# KiCad board handheld.kicad_pcb (continued)
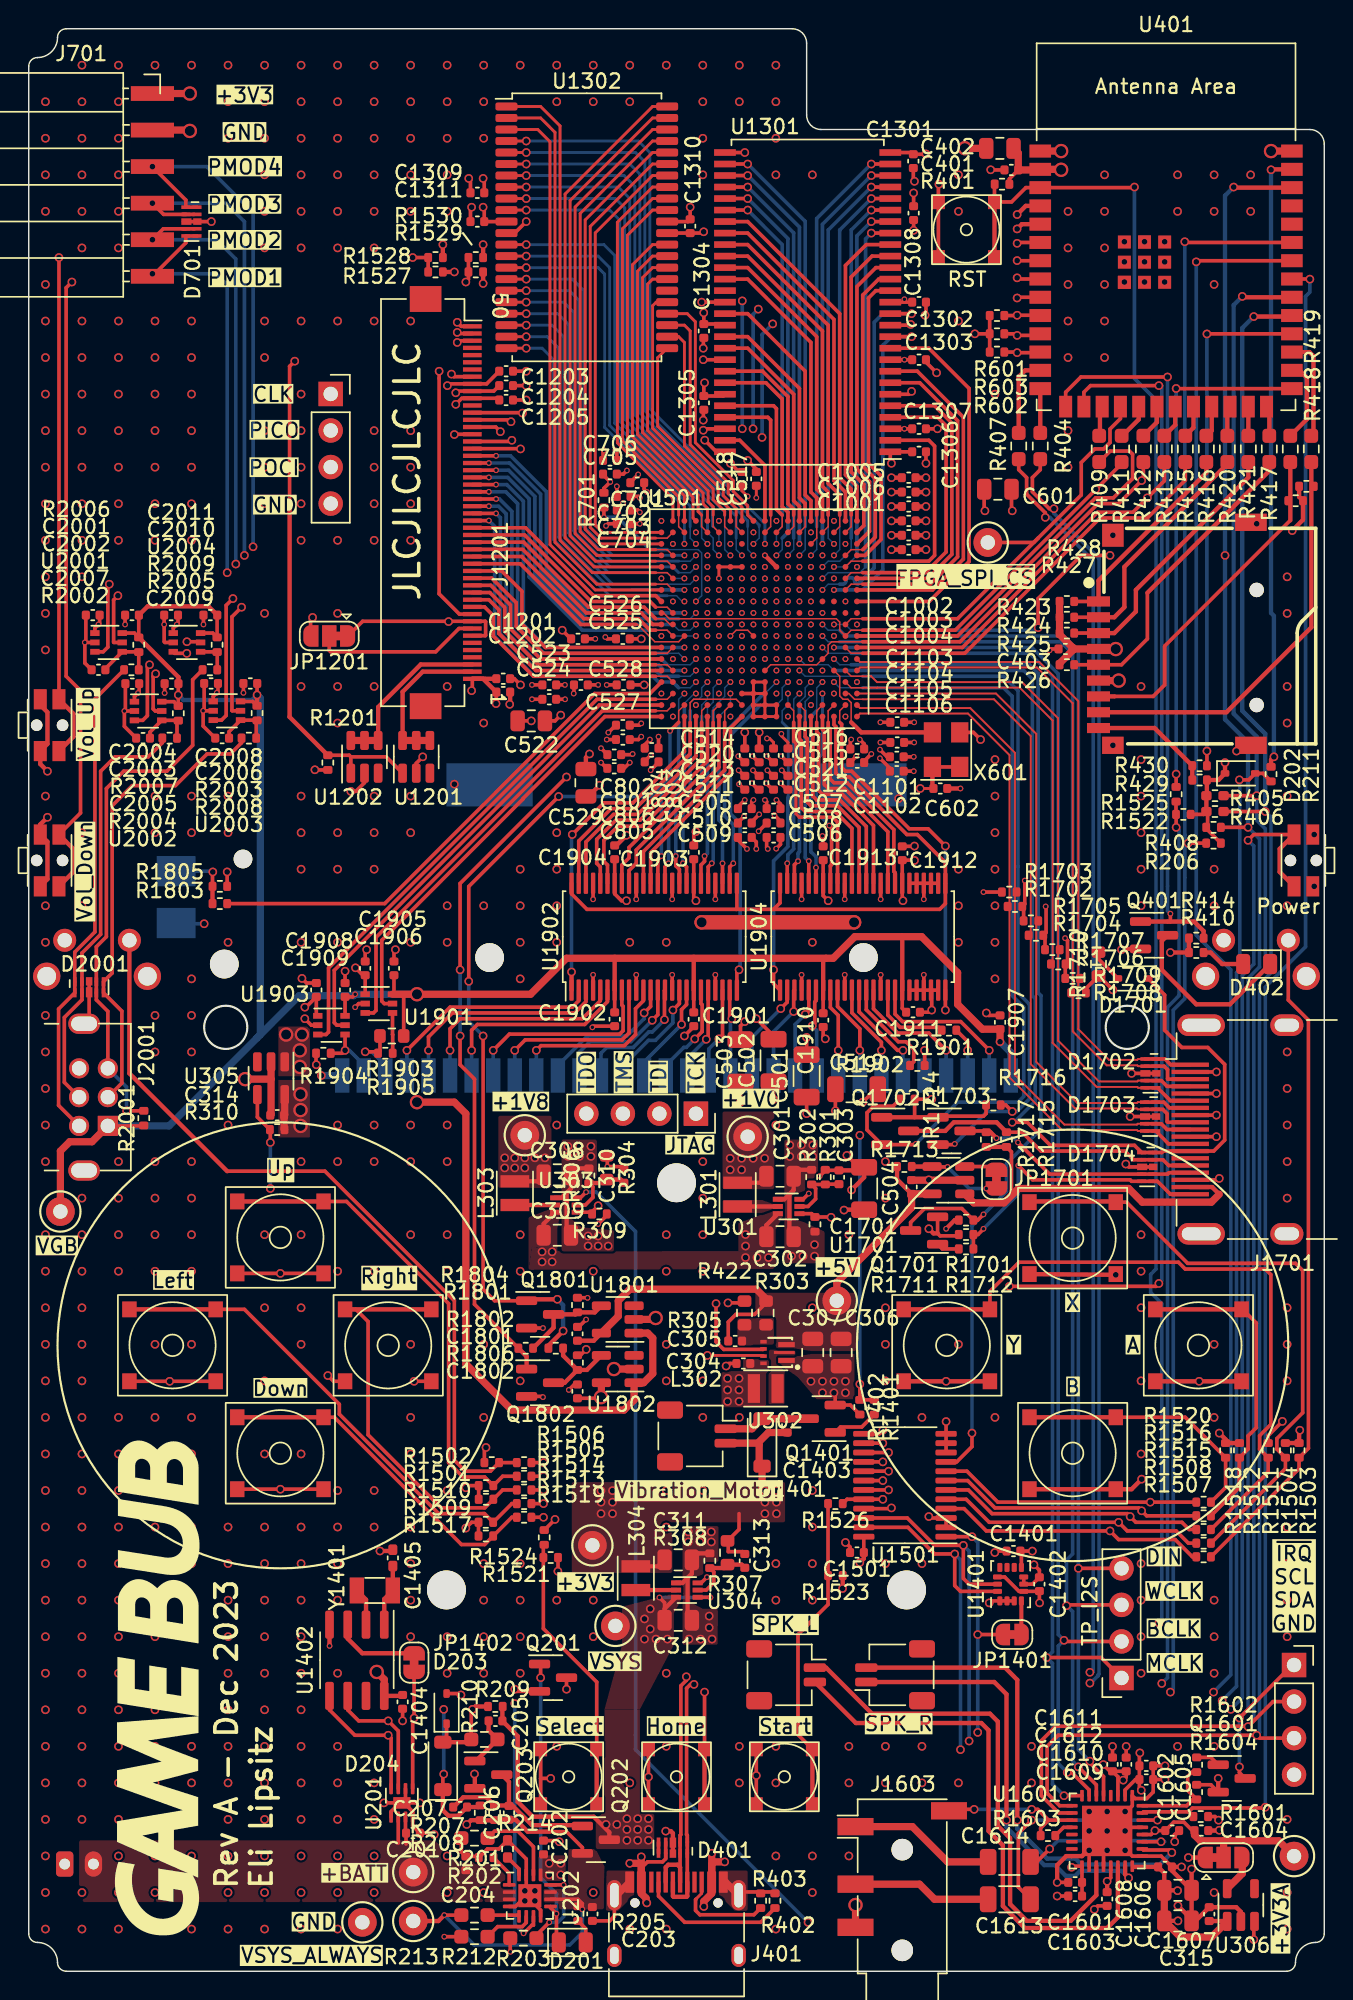
[diagram p0: board, top side]
## Placement (name value [footprint] x y rotation side) (continued)
SW201  Power  [SW_SPST_SKSC]  88.65 77.2 90 top
SW401  RST  [SW_SPST_SKRB]  65.22 121.04 90 top
SW1501  Up  [SW_SPST_SKRR]  17.5 51 0 top
SW1502  L  [SW_Tactile_SPST_Angled_TL1105VFxxxx]  4.75 71.65 180 bottom
SW1503  R  [SW_Tactile_SPST_Angled_TL1105VFxxxx]  85.35 71.65 180 bottom
SW1504  X  [SW_SPST_SKRR]  72.6 50.95 0 top
SW1505  Left  [SW_SPST_SKRR]  10 43.5 0 top
SW1506  Right  [SW_SPST_SKRR]  25 43.5 0 top
SW1507  Y  [SW_SPST_SKRR]  63.85 43.5 0 top
SW1508  A  [SW_SPST_SKRR]  81.35 43.5 0 top
SW1509  Down  [SW_SPST_SKRR]  17.5 36 0 top
SW1510  B  [SW_SPST_SKRR]  72.6 36 0 top
SW1511  Select  [SW_SPST_SKRB]  37.55 13.51 270 top
SW1512  Home  [SW_SPST_SKRB]  45.05 13.51 270 top
SW1513  Start  [SW_SPST_SKRB]  52.55 13.51 270 top
SW1514  Vol_Up  [SW_SPST_SKSC]  1.45 86.6 270 top
SW1515  Vol_Down  [SW_SPST_SKSC]  1.45 77.2 270 top
SW1801  SW_Cartridge  [JJOV0UL650NONPRBK_SIDE]  13.6 70 90 bottom
TP201  +BATT  [TestPoint_Keystone_5000-5004_Miniature]  26.74 6.89 0 top
TP202  VSYS_ALWAYS  [TestPoint_Keystone_5000-5004_Miniature]  26.74 3.49 0 top
TP203  VSYS  [TestPoint_Keystone_5000-5004_Miniature]  40.8 24 0 top
TP301  +1V0  [TestPoint_Keystone_5000-5004_Miniature]  50 58 0 top
TP302  +1V8  [TestPoint_Keystone_5000-5004_Miniature]  34.5 58.1 0 top
TP303  +3V3  [TestPoint_Keystone_5000-5004_Miniature]  39.2 29.6 0 top
TP304  +3V3A  [TestPoint_Keystone_5000-5004_Miniature]  88 8 0 top
TP305  +5V  [TestPoint_Keystone_5000-5004_Miniature]  56.2 46.6 0 top
TP306  GND  [TestPoint_Keystone_5000-5004_Miniature]  23.2 3.4 0 top
TP401  FPGA_SPI_~{CS}  [TestPoint_Keystone_5000-5004_Miniature]  66.7 99.3 0 top
TP1801  VGB  [TestPoint_Keystone_5000-5004_Miniature]  2.2 52.8 0 top
U201  MAX17048  [TDFN-8-1EP_2x2mm_P0.5mm_EP0.8x1.2mm]  25.95 11.7 90 top
U202  BQ24073RGT  [VQFN-16-1EP_3x3mm_P0.5mm_EP1.6x1.6mm]  34.85 5.25 0 top
U301  TLV62585PDRL  [SOT-563]  52.85 53.15 0 top
U302  TPS61022RWUR  [VQFN-7_L2.0-W2.0-P0.55-TL_RWU]  52.07 43 180 top
U303  TLV62585PDRL  [SOT-563]  37.36 53.25 0 top
U304  TLV62585PDRL  [SOT-563]  45.77 26.49 0 top
U305  AP2191W  [SOT-23-5]  16.85 62.06 270 top
U306  LP5907MFX-3.3  [SOT-23-5]  84.3 4.6 90 top
U401  -  [ESP32-S3-WROOM-1]  79.1 118.24 0 top
U501  XC7A100T-CSG324  [Xilinx_CSG324]  50.8 94 180 top
U1201  AP2502  [SOT-23-6]  26.95 84.4 90 top
U1202  AP2502  [SOT-23-6]  23.35 84.4 90 top
U1301  W9825G6KH-6  [TSOP-II-54_22.2x10.16mm_P0.8mm]  54.17 116 180 top
U1302  IS61WV25616EDBLL-10TLI  [TSOP-II-44_10.16x18.41mm_P0.8mm]  38.81 121.2 0 top
U1401  LSM6DS3TR-C  [LGA-14_3x2.5mm_P0.5mm_LayoutBorder3x4y]  68.29 26.9 90 top
U1402  PCF8563T  [SOIC-8_3.9x4.9mm_P1.27mm]  22.82 21.61 270 top
U1501  TCA9535PWR  [TSSOP-24_4.4x7.8mm_P0.65mm]  60.94 33.78 180 top
U1601  TLV320DAC3101  [VQFN-32-1EP_5x5mm_P0.5mm_EP3.5x3.5mm]  75 9.75 270 top
U1701  AP2191W  [SOT-23-5]  63.96 54.97 180 top
U1801  AP2191W  [SOT-23-5]  40.96 45.3 180 top
U1802  AP2191W  [SOT-23-5]  40.96 41.85 180 top
U1901  74LVC1T45  [SOT-363_SC-70-6]  24.35 67.25 0 top
U1902  74LVCH16T245  [TSSOP-48_6.1x12.5mm_P0.5mm]  43.5 71.9 90 top
U1903  74LVC1T45  [SOT-363_SC-70-6]  21.05 65.75 0 top
U1904  74LVCH16T245  [TSSOP-48_6.1x12.5mm_P0.5mm]  58 71.9 90 top
U2001  74LVC1T45  [SOT-363_SC-70-6]  5.55 92.35 0 top
U2002  74LVC1T45  [SOT-363_SC-70-6]  8.3 87.58 0 top
U2003  74LVC1T45  [SOT-363_SC-70-6]  13.78 87.6 0 top
U2004  74LVC1T45  [SOT-363_SC-70-6]  11 92.35 0 top
X601  YSO110TR 50MHz  [Oscillator_SMD_SeikoEpson_SG8002CE-4Pin_3.2x2.5mm]  63.8 84.9 90 top
Y1401  32.768kHz  [Crystal_SMD_3215-2Pin_3.2x1.5mm]  24.07 26.46 0 top

## Library data of the parts
C201 C206 C314 C401 C403 C602 C1201-C1205 C1301-C1307 C1310 C1311 C1401-C1404 C1501 C1602 C1604 C1606 C1608 C1610 C1612 C1701 C1801 C1802 C1901-C1913 C2001-C2004 C2008-C2011 = -: Description: Unpolarized capacitor, small symbol; LCSC: C1525
C202-C204 C505-C510 C523 C524 C705 C706 C805 C806 C1005 C1006 C1105 C1106 = -: Description: Unpolarized capacitor, small symbol; LCSC: C23733
C205 C304 C315 C1308 C1309 C1601 C1603 C1609 C1611 = -: Description: Unpolarized capacitor, small symbol; LCSC: C15525
C207 = -: Description: Unpolarized capacitor, small symbol; LCSC: C52923
C301 C302 C308 C309 C311 C312 C522 C529 C601 = -: Description: Unpolarized capacitor, small symbol; LCSC: C16780
C303 C310 C313 C1405 = -: Description: Unpolarized capacitor, small symbol; LCSC: C1555
C305 = -: Description: Unpolarized capacitor, small symbol; LCSC: C1537
C306 C307 C402 C1605 C1607 = -: Description: Unpolarized capacitor, small symbol; LCSC: C45783
C501-C504 C519 C1613 C1614 = -: Description: Unpolarized capacitor, small symbol; LCSC: C15008
C511-C518 C520 C521 C525-C528 C701-C704 C801-C804 C1001-C1004 C1101-C1104 = -: Description: Unpolarized capacitor, small symbol; LCSC: C47339
C2005-C2007 = -: Description: Unpolarized capacitor, small symbol; LCSC: C1546
D201 = -: Description: Light emitting diode; Color: Yellow; LCSC: C2296
D202 D203 D1701 = -: Description: Schottky diode; LCSC: C191023; V_forward: 0.60V
D204 D1401 = -: Description: 75V 0.15A Fast Switching Diode, SOD-123; LCSC: C81598; Sim.Device: D; Sim.Pins: 1=K 2=A
D401 D701 D1702-D1704 D2001 = -: Description: Uni-directional 5V Ultra Small Capacitance ESD Array; LCSC: C7420374
D402 = -: Description: Light emitting diode; Color: Green; LCSC: C2297
H101-H103 = -: Description: Mounting Hole without connection
J201 = -: Description: Generic connector, single row, 01x02, script generated (kicad-library-utils/schlib/autogen/connector/)
J401 = -: Description: USB 2.0-only Type-C Receptacle connector; LCSC: C165948
J402 = -: Description: Micro SD Card Socket with one card detection pin; LCSC: C5155564
J403 J404 J601 J1604 = -: Description: Generic connector, single row, 01x04, script generated (kicad-library-utils/schlib/autogen/connector/)
J701 = -: Description: Generic connector, single row, 01x06, script generated (kicad-library-utils/schlib/autogen/connector/)
J1201 = -: LCSC: C598003; Field5: Pin numbers are reversed from Hirose datasheet.
J1401 J1601 J1602 = -: Description: Generic connector, single row, 01x02, script generated (kicad-library-utils/schlib/autogen/connector/); LCSC: C160402
J1603 = -: Description: Audio Jack, 4 Poles (TRRS); LCSC: C431535
J1701 = -: Description: HDMI type A connector; LCSC: C2858275
J1901 = -: Description: Game Boy cartridge edge connector with mounting pin; Author: gekkio
J2001 = -: Description: Game Boy link port; Author: gekkio
JP301 JP1201 = -: Description: 3-pole Solder Jumper, pins 1+2 closed/bridged
JP1401 JP1402 JP1701 = -: Description: Solder Jumper, 2-pole, closed/bridged
L301-L304 = -: Description: Inductor, small symbol; LCSC: C98348
Q201 Q203 Q401 Q1401 Q1601 Q1701-Q1703 Q1801 Q1802 = -: Description: 30V Vds, 5.7A Id, N-Channel MOSFET, SOT-23; LCSC: C20917
Q202 = -: Description: -4.0A Id, -30V Vds, P-Channel MOSFET, SOT-23; LCSC: C15127
R201 = -: Description: Resistor, small symbol; LCSC: C25819
R202 R207 R301 R401 R408 R422-R430 R1201 R1402 R1501-R1530 R1604 R1711 R1712 R1801 R1803-R1805 R2006-R2009 = -: Description: Resistor, small symbol; LCSC: C25744
R203 = -: Description: Resistor, small symbol; LCSC: C22764
R205 R410 R1603 = -: Description: Resistor, small symbol; LCSC: C25879
R206 R208 R209 R309 R310 R414 R1601 R1713 R1802 R1806 R1904 R2001 = -: Description: Resistor, small symbol; LCSC: C25741
R210 = -: Description: Resistor, small symbol; LCSC: C23178
R211 R214 R701 R1401 R1602 R1714 R1716 = -: Description: Resistor, small symbol; LCSC: C11702
R212 R213 R404 R407 R409 R411-R413 R415-R421 = -: Description: Resistor, small symbol; LCSC: C21189
R302 R306 R308 = -: Description: Resistor, small symbol; LCSC: C25756
R303 = -: Description: Resistor, small symbol; LCSC: C22961
R304 R305 = -: Description: Resistor, small symbol; LCSC: C22984
R307 = -: Description: Resistor, small symbol; LCSC: C23231
R402 R403 = -: Description: Resistor, small symbol; LCSC: C25905
R405 R406 = -: Description: Resistor, small symbol; LCSC: C25890
R601-R603 R1701 = -: Description: Resistor, small symbol; LCSC: C25900
R1702-R1709 R1901 R1902 R1905 = -: Description: Resistor, small symbol; LCSC: C25120
R1710 R1903 = -: Description: Resistor, small symbol; LCSC: C22967
R1715 R1717 = -: Description: Resistor, small symbol; LCSC: C25867
R2002-R2005 = -: Description: Resistor, small symbol; LCSC: C25104
SW201 SW1514 SW1515 = -: Description: Push button switch, generic, two pins; LCSC: C115361
SW401 SW1511-SW1513 = -: Description: Push button switch, generic, two pins; LCSC: C115356
SW1501 SW1504-SW1510 = -: Description: Push button switch, generic, two pins; LCSC: C97437
SW1502 SW1503 = -: Description: Push button switch, generic, two pins
SW1801 = -: Description: Single Pole Single Throw (SPST) switch
TP201-TP203 TP301-TP306 TP401 TP1801 = -: Description: test point
U201 = -: Description: 3µA 1-Cell Fuel Gauge with ModelGauge; LCSC: C2682616
U202 = -: Description: USB-Friendly Li-Ion Battery Charger and Power-Path Management, VQFN-16; LCSC: C15220
U301 U303 U304 = -: Description: TLV62585 3-A High Efficiency Synchronous Buck Converter; LCSC: C485118
U302 = -: Description: TPS61022 8-A Boost Converter with 0.5-V Ultra-low Input Voltage; LCSC: C915088
U305 U1701 U1801 U1802 = -: Description: Current limited power switch, single channel, SOT-23-5; LCSC: C141321
U306 = -: Description: 250-mA Ultra-Low-Noise Low-IQ LDO, 3.3V, SOT-23
U401 = -: Description: 2.4 GHz WiFi (802.11 b/g/n) and Bluetooth ® 5 (LE) module Built around ESP32S3 series of SoCs, Xtensa ® dualcore 32bit LX7 microprocessor Flash up to 16 MB, PSRAM up to 8 MB 36 GPIOs, rich set of peripherals Onboard PCB antenna; LCSC: C2913205
U501 = -: Description: Xilinx Artix-7 FPGA, XC7A100T, CSG324; LCSC: C1521791
U1201 U1202 = -: Description: 4-CH Linear Constant Current Sink With Matching; LCSC: C460349
U1301 = -: Description: 128Mb Synchronous DRAM, 4 Mb x 16 b x 4 Banks, 200 MHz, TSOP-II-54; LCSC: C62246
U1302 = -: Description: 256K x 16 HIGH SPEED ASYNCHRONOUS CMOS STATIC RAM WITH ECC, 10ns, TSOP II-44; LCSC: C883296
U1401 = -: Description: I2C/SPI, iNEMO inertial module: always-on 3D accelerometer and 3D gyroscope; LCSC: C967633
U1402 = -: Description: Realtime Clock/Calendar I2C Interface, SOIC-8; LCSC: C7440
U1501 = -: Description: 16-bit I/O expander, I2C and SMBus interface, interrupts, w/o pull-ups, TSSOP-24 package; LCSC: C130204
U1601 = -: LCSC: C2651664
U1901 U1903 U2001-U2004 = -: Description: Single-Bit Dual-Supply Bus Transceiver With Configurable Voltage Translation and 3-State Outputs, SOT-363; LCSC: C5162250
U1902 U1904 = -: LCSC: C352975
X601 = -: Description: Crystal Oscillator, SHENZHEN YANGXING TECHNOLOGY CO., LTD.; LCSC: C5203552
Y1401 = -: Description: Two pin crystal, small symbol; LCSC: C32346; Load capacitance: 12.5 pF

## Footprints (pads in the part's own frame, mm; a bottom-side part is the same pattern mirrored in y, then rotated)
C_0402_1005Metric
  rrect 0.56x0.62 smd: 1(-0.48,0) 2(0.48,0)
C_0402_1005Metric_Pad0.74x0.62mm_HandSolder
  rrect 0.735x0.62 smd: 1(-0.568,0) 2(0.568,0)
C_0805_2012Metric
  rrect 1x1.45 smd: 1(-0.95,0) 2(0.95,0)
C_1206_3216Metric
  rrect 1.15x1.8 smd: 1(-1.475,0) 2(1.475,0)
Crystal_SMD_3215-2Pin_3.2x1.5mm
  rect 1x1.8 smd: 1(1.25,0) 2(-1.25,0)
D_SOD-123
  rrect 0.9x1.2 smd: 1(-1.65,0) 2(1.65,0)
D_SOD-323
  rrect 0.6x0.45 smd: 1(-1.05,0) 2(1.05,0)
Diodes_UDFN-10_1.0x2.5mm_P0.5mm
  rect 0.625x0.25 smd: 1(-0.388,1) 2(-0.388,0.5) 4(-0.388,-0.5) 5(-0.388,-1) 6(0.388,-1) 7(0.388,-0.5) 9(0.388,0.5) 10(0.388,1)
  rect 0.7x0.45 smd: 3(-0.35,0)
  rect 0.575x0.45 smd: 8(0.412,0)
ESP32-S3-WROOM-1
  rect 1.5x0.9 smd: 1(-8.75,8.26) 2(-8.75,6.99) 3(-8.75,5.72) 4(-8.75,4.45) 5(-8.75,3.18) 6(-8.75,1.91) 7(-8.75,0.64) 8(-8.75,-0.63) 9(-8.75,-1.9) 10(-8.75,-3.17) 11(-8.75,-4.44) 12(-8.75,-5.71) 13(-8.75,-6.98) 14(-8.75,-8.25) 27(8.75,-8.25) 28(8.75,-6.98) 29(8.75,-5.71) 30(8.75,-4.44) 31(8.75,-3.17) 32(8.75,-1.9) 33(8.75,-0.63) 34(8.75,0.64) 35(8.75,1.91) 36(8.75,3.18) 37(8.75,4.45) 38(8.75,5.72) 39(8.75,6.99) 40(8.75,8.26)
  rect 0.9x1.5 smd: 15(-6.985,-9.5) 16(-5.715,-9.5) 17(-4.445,-9.5) 18(-3.175,-9.5) 19(-1.905,-9.5) 20(-0.635,-9.5) 21(0.635,-9.5) 22(1.905,-9.5) 23(3.175,-9.5) 24(4.445,-9.5) 25(5.715,-9.5) 26(6.985,-9.5)
  rect 0.9x0.9 smd: 41(-2.9,1.94) 41(-2.9,0.54) 41(-2.9,-0.86) 41(-2.9,-0.86) 41(-1.5,1.94) 41(-1.5,1.94) 41(-1.5,0.54) 41(-1.5,-0.86) 41(-0.1,1.94) 41(-0.1,0.54) 41(-0.1,-0.86)
GameBoy_Cartridge_AGS_1x32-1MP_P1.50mm_Socket_Horizontal
  round 2 hole 2 unplated: (-13,-2.05) (13,-2.05)
  rect 1x2.4 smd: 1(-23.25,-10.25) 2(-21.75,-10.25) 3(-20.25,-10.25) 4(-18.75,-10.25) 5(-17.25,-10.25) 6(-15.75,-10.25) 7(-14.25,-10.25) 8(-12.75,-10.25) 9(-11.25,-10.25) 10(-9.75,-10.25) 11(-8.25,-10.25) 12(-6.75,-10.25) 13(-5.25,-10.25) 14(-3.75,-10.25) 15(-2.25,-10.25) 16(-0.75,-10.25) 17(0.75,-10.25) 18(2.25,-10.25) 19(3.75,-10.25) 20(5.25,-10.25) 21(6.75,-10.25) 22(8.25,-10.25) 23(9.75,-10.25) 24(11.25,-10.25) 25(12.75,-10.25) 26(14.25,-10.25) 27(15.75,-10.25) 28(17.25,-10.25) 29(18.75,-10.25) 30(20.25,-10.25) 31(21.75,-10.25) 32(23.25,-10.25)
  rect 6x3 smd: MP(-13,9.95) MP(13,9.95)
GameBoy_LinkPort_AGB_Horizontal
  rect 1.4x1.4 hole 1: 1(0,0)
  round 1.4 hole 1: 2(2,0) 3(0,-2) 4(2,-2) 5(0,-4) 6(2,-4)
  oval 2.2x1.4 hole 1.8x1: SH(1.651,3.1) SH(1.651,-7.1)
HDMI_A_Molex_208658-1001_Horizontal
  rect 2.6x0.3 smd: 1(-3.285,4.5) 2(-3.285,4) 3(-3.285,3.5) 4(-3.285,3) 5(-3.285,2.5) 6(-3.285,2) 7(-3.285,1.5) 8(-3.285,1) 9(-3.285,0.5) 10(-3.285,0) 11(-3.285,-0.5) 12(-3.285,-1) 13(-3.285,-1.5) 14(-3.285,-2) 15(-3.285,-2.5) 16(-3.285,-3) 17(-3.285,-3.5) 18(-3.285,-4) 19(-3.285,-4.5)
  oval 3.3x1.5 hole 2.7x0.9: SH(-2.525,7.25) SH(-2.525,-7.25)
  oval 2.3x1.5 hole 1.7x0.9: SH(3.435,7.25) SH(3.435,-7.25)
Hirose_FH12S-50S-0.5SH_1x50-1MP_P0.50mm_Horizontal_FLIPPED
  rect 0.3x1.3 smd: 1(12.25,1.85) 2(11.75,1.85) 3(11.25,1.85) 4(10.75,1.85) 5(10.25,1.85) 6(9.75,1.85) 7(9.25,1.85) 8(8.75,1.85) 9(8.25,1.85) 10(7.75,1.85) 11(7.25,1.85) 12(6.75,1.85) 13(6.25,1.85) 14(5.75,1.85) 15(5.25,1.85) 16(4.75,1.85) 17(4.25,1.85) 18(3.75,1.85) 19(3.25,1.85) 20(2.75,1.85) 21(2.25,1.85) 22(1.75,1.85) 23(1.25,1.85) 24(0.75,1.85) 25(0.25,1.85) 26(-0.25,1.85) 27(-0.75,1.85) 28(-1.25,1.85) 29(-1.75,1.85) 30(-2.25,1.85) 31(-2.75,1.85) 32(-3.25,1.85) 33(-3.75,1.85) 34(-4.25,1.85) 35(-4.75,1.85) 36(-5.25,1.85) 37(-5.75,1.85) 38(-6.25,1.85) 39(-6.75,1.85) 40(-7.25,1.85) 41(-7.75,1.85) 42(-8.25,1.85) 43(-8.75,1.85) 44(-9.25,1.85) 45(-9.75,1.85) 46(-10.25,1.85) 47(-10.75,1.85) 48(-11.25,1.85) 49(-11.75,1.85) 50(-12.25,1.85)
  rect 1.8x2.2 smd: MP(-14.15,-1.4) MP(14.15,-1.4)
Jack_3.5mm_PJ320D_Horizontal
  round 1.5 hole 1.5 unplated: (-4.775,0) (2.225,0)
  rect 1.2x2.5 smd: R1(-0.175,3.25) R2(-3.175,3.25) S(4.925,-3.25) T(3.825,3.25)
JJOV0UL650NONPRBK_SIDE
  round 2 hole 2 unplated: (0,0)
  round 1.3 hole 1.3 unplated: (7.3,1.3)
  rect 2.1x2.7 smd: 1(6.45,-3.35) 2(2.85,-3.35)
JST_PH_S2B-PH-K_1x02_P2.00mm_Horizontal
  rrect 1.2x1.75 hole 0.75: 1(0,0)
  oval 1.2x1.75 hole 0.75: 2(2,0)
JST_SH_SM02B-SRSS-TB_1x02-1MP_P1.00mm_Horizontal
  rrect 0.6x1.55 smd: 1(-0.5,2) 2(0.5,2)
  rrect 1.2x1.8 smd: MP(-1.8,-1.875) MP(1.8,-1.875)
L_Sunlord_SWPA252012S
  rect 0.85x2 smd: 1(-0.825,0) 2(0.825,0)
LED_0805_2012Metric
  rrect 0.975x1.4 smd: 1(-0.938,0) 2(0.938,0)
LGA-14_3x2.5mm_P0.5mm_LayoutBorder3x4y
  rrect 0.625x0.35 smd: 1(-1.163,0.75) 2(-1.163,0.25) 3(-1.163,-0.25) 4(-1.163,-0.75) 8(1.163,-0.75) 9(1.163,-0.25) 10(1.163,0.25) 11(1.163,0.75)
  rrect 0.35x0.625 smd: 5(-0.5,-0.912) 6(0,-0.912) 7(0.5,-0.912) 12(0.5,0.912) 13(0,0.912) 14(-0.5,0.912)
microSD_G-Switch_GT-TF003-H0185-02
  round 1 hole 1 unplated: (-4.95,-5.7) (3.05,-5.7)
  rect 0.7x1.6 smd: 1(2.25,5.3) 2(1.15,5.3) 3(0.05,5.3) 4(-1.05,5.3) 5(-2.15,5.3) 6(-3.25,5.3) 7(-4.35,5.3) 8(-5.45,5.3) 9(-6.55,5.3)
  rect 1.2x1.5 smd: 10(-7.75,4.3)
  rect 1.2x2.2 smd: 10(-7.75,-5.3) 10(7.75,-5.3)
  rect 1.6x1.5 smd: 10(6.85,4.3)
MountingHole_2.7mm_M2.5
  round 2.7 hole 2.7 unplated: (0,0)
Oscillator_SMD_SeikoEpson_SG8002CE-4Pin_3.2x2.5mm
  rect 1.4x1.2 smd: 1(-1.2,-0.95) 2(1.2,-0.95) 3(1.2,0.95) 4(-1.2,0.95)
PinSocket_1x04_P2.54mm_Vertical
  rect 1.7x1.7 hole 1: 1(0,0)
  oval 1.7x1.7 hole 1: 2(0,-2.54) 3(0,-5.08) 4(0,-7.62)
PinSocket_1x06_P2.54mm_Horizontal_SMD
  rect 3x1.02 smd: 1(0.57,0) 2(0.57,-2.54) 3(0.57,-5.08) 4(0.57,-7.62) 5(0.57,-10.16) 6(0.57,-12.7)
R_0402_1005Metric
  rrect 0.54x0.64 smd: 1(-0.51,0) 2(0.51,0)
R_0402_1005Metric_Pad0.72x0.64mm_HandSolder
  rrect 0.715x0.64 smd: 1(-0.598,0) 2(0.598,0)
R_0603_1608Metric
  rrect 0.8x0.95 smd: 1(-0.825,0) 2(0.825,0)
R_0603_1608Metric_Pad0.98x0.95mm_HandSolder
  rrect 0.975x0.95 smd: 1(-0.912,0) 2(0.912,0)
SOIC-8_3.9x4.9mm_P1.27mm
  rrect 1.95x0.6 smd: 1(-2.475,1.905) 2(-2.475,0.635) 3(-2.475,-0.635) 4(-2.475,-1.905) 5(2.475,-1.905) 6(2.475,-0.635) 7(2.475,0.635) 8(2.475,1.905)
SolderJumper-2_P1.3mm_Bridged_RoundedPad1.0x1.5mm
  custom 1x1.5 smd: 1(-0.65,0) 2(0.65,0)
SolderJumper-3_P1.3mm_Bridged12_RoundedPad1.0x1.5mm
  custom 1.05x1.5 smd: 1(-1.3,0) 3(1.3,0)
  rect 1x1.5 smd: 2(0,0)
SOT-23
  rrect 1.475x0.6 smd: 1(-0.938,0.95) 2(-0.938,-0.95) 3(0.938,0)
SOT-23-5
  rrect 1.325x0.6 smd: 1(-1.137,0.95) 2(-1.137,0) 3(-1.137,-0.95) 4(1.137,-0.95) 5(1.137,0.95)
SOT-23-6
  rrect 1.325x0.6 smd: 1(-1.137,0.95) 2(-1.137,0) 3(-1.137,-0.95) 4(1.137,-0.95) 5(1.137,0) 6(1.137,0.95)
SOT-363_SC-70-6
  rect 0.65x0.4 smd: 1(-0.95,0.65) 2(-0.95,0) 3(-0.95,-0.65) 4(0.95,-0.65) 5(0.95,0) 6(0.95,0.65)
SOT-563
  rect 0.7x0.34 smd: 1(-0.75,0.5) 2(-0.75,0) 3(-0.75,-0.5) 4(0.75,-0.5) 5(0.75,0) 6(0.75,0.5)
SW_SPST_SKRB
  rect 1x0.9 smd: 1(-1.925,1.95) 1(1.925,1.95) 2(-1.925,-1.95) 2(1.925,-1.95)
SW_SPST_SKRR
  rect 1x1.1 smd: 1(-3,2.5) 1(3,2.5) 2(-3,-2.5) 2(3,-2.5)
SW_SPST_SKSC
  round 0.8 hole 0.8 unplated: (0,0.9) (0,-0.9)
  rect 1.4x0.9 smd: 1(-1.8,0.65) 1(1.8,0.65) 2(-1.8,-0.65) 2(1.8,-0.65)
SW_Tactile_SPST_Angled_TL1105VFxxxx
  round 1.9 hole 1.3: (-3.5,-2.5) (3.5,-2.5)
  round 1.6 hole 1: 1(-2.25,0) 2(2.25,0)
TDFN-8-1EP_2x2mm_P0.5mm_EP0.8x1.2mm
  rrect 0.32x0.48 smd: (-0.2,0.3) (-0.2,-0.3) (0.2,0.3) (0.2,-0.3)
  rrect 0.775x0.25 smd: 1(-0.988,0.75) 2(-0.988,0.25) 3(-0.988,-0.25) 4(-0.988,-0.75) 5(0.988,-0.75) 6(0.988,-0.25) 7(0.988,0.25) 8(0.988,0.75)
  rect 0.8x1.2 smd: 9(0,0)
TestPoint_Keystone_5000-5004_Miniature
  round 2 hole 1: 1(0,0)
TSOP-II-44_10.16x18.41mm_P0.8mm
  rrect 1.525x0.55 smd: 1(-5.588,8.4) 2(-5.588,7.6) 3(-5.588,6.8) 4(-5.588,6) 5(-5.588,5.2) 6(-5.588,4.4) 7(-5.588,3.6) 8(-5.588,2.8) 9(-5.588,2) 10(-5.588,1.2) 11(-5.588,0.4) 12(-5.588,-0.4) 13(-5.588,-1.2) 14(-5.588,-2) 15(-5.588,-2.8) 16(-5.588,-3.6) 17(-5.588,-4.4) 18(-5.588,-5.2) 19(-5.588,-6) 20(-5.588,-6.8) 21(-5.588,-7.6) 22(-5.588,-8.4) 23(5.588,-8.4) 24(5.588,-7.6) 25(5.588,-6.8) 26(5.588,-6) 27(5.588,-5.2) 28(5.588,-4.4) 29(5.588,-3.6) 30(5.588,-2.8) 31(5.588,-2) 32(5.588,-1.2) 33(5.588,-0.4) 34(5.588,0.4) 35(5.588,1.2) 36(5.588,2) 37(5.588,2.8) 38(5.588,3.6) 39(5.588,4.4) 40(5.588,5.2) 41(5.588,6) 42(5.588,6.8) 43(5.588,7.6) 44(5.588,8.4)
TSOP-II-54_22.2x10.16mm_P0.8mm
  rect 1.51x0.458 smd: 1(-5.75,10.4) 2(-5.75,9.6) 3(-5.75,8.8) 4(-5.75,8) 5(-5.75,7.2) 6(-5.75,6.4) 7(-5.75,5.6) 8(-5.75,4.8) 9(-5.75,4) 10(-5.75,3.2) 11(-5.75,2.4) 12(-5.75,1.6) 13(-5.75,0.8) 14(-5.75,0) 15(-5.75,-0.8) 16(-5.75,-1.6) 17(-5.75,-2.4) 18(-5.75,-3.2) 19(-5.75,-4) 20(-5.75,-4.8) 21(-5.75,-5.6) 22(-5.75,-6.4) 23(-5.75,-7.2) 24(-5.75,-8) 25(-5.75,-8.8) 26(-5.75,-9.6) 27(-5.75,-10.4) 28(5.75,-10.4) 29(5.75,-9.6) 30(5.75,-8.8) 31(5.75,-8) 32(5.75,-7.2) 33(5.75,-6.4) 34(5.75,-5.6) 35(5.75,-4.8) 36(5.75,-4) 37(5.75,-3.2) 38(5.75,-2.4) 39(5.75,-1.6) 40(5.75,-0.8) 41(5.75,0) 42(5.75,0.8) 43(5.75,1.6) 44(5.75,2.4) 45(5.75,3.2) 46(5.75,4) 47(5.75,4.8) 48(5.75,5.6) 49(5.75,6.4) 50(5.75,7.2) 51(5.75,8) 52(5.75,8.8) 53(5.75,9.6) 54(5.75,10.4)
TSSOP-24_4.4x7.8mm_P0.65mm
  rrect 1.475x0.4 smd: 1(-2.862,3.575) 2(-2.862,2.925) 3(-2.862,2.275) 4(-2.862,1.625) 5(-2.862,0.975) 6(-2.862,0.325) 7(-2.862,-0.325) 8(-2.862,-0.975) 9(-2.862,-1.625) 10(-2.862,-2.275) 11(-2.862,-2.925) 12(-2.862,-3.575) 13(2.862,-3.575) 14(2.862,-2.925) 15(2.862,-2.275) 16(2.862,-1.625) 17(2.862,-0.975) 18(2.862,-0.325) 19(2.862,0.325) 20(2.862,0.975) 21(2.862,1.625) 22(2.862,2.275) 23(2.862,2.925) 24(2.862,3.575)
TSSOP-48_6.1x12.5mm_P0.5mm
  rrect 1.475x0.3 smd: 1(-3.712,5.75) 2(-3.712,5.25) 3(-3.712,4.75) 4(-3.712,4.25) 5(-3.712,3.75) 6(-3.712,3.25) 7(-3.712,2.75) 8(-3.712,2.25) 9(-3.712,1.75) 10(-3.712,1.25) 11(-3.712,0.75) 12(-3.712,0.25) 13(-3.712,-0.25) 14(-3.712,-0.75) 15(-3.712,-1.25) 16(-3.712,-1.75) 17(-3.712,-2.25) 18(-3.712,-2.75) 19(-3.712,-3.25) 20(-3.712,-3.75) 21(-3.712,-4.25) 22(-3.712,-4.75) 23(-3.712,-5.25) 24(-3.712,-5.75) 25(3.712,-5.75) 26(3.712,-5.25) 27(3.712,-4.75) 28(3.712,-4.25) 29(3.712,-3.75) 30(3.712,-3.25) 31(3.712,-2.75) 32(3.712,-2.25) 33(3.712,-1.75) 34(3.712,-1.25) 35(3.712,-0.75) 36(3.712,-0.25) 37(3.712,0.25) 38(3.712,0.75) 39(3.712,1.25) 40(3.712,1.75) 41(3.712,2.25) 42(3.712,2.75) 43(3.712,3.25) 44(3.712,3.75) 45(3.712,4.25) 46(3.712,4.75) 47(3.712,5.25) 48(3.712,5.75)
USB_C_Receptacle_HRO_TYPE-C-31-M-12
  round 0.65 hole 0.65 unplated: (-2.89,2.6) (2.89,2.6)
  rect 0.6x1.45 smd: A1(-3.25,4.045) A4(-2.45,4.045) A9(2.45,4.045) A12(3.25,4.045) B1(3.25,4.045) B4(2.45,4.045) B9(-2.45,4.045) B12(-3.25,4.045)
  rect 0.3x1.45 smd: A5(-1.25,4.045) A6(-0.25,4.045) A7(0.25,4.045) A8(1.25,4.045) B5(1.75,4.045) B6(0.75,4.045) B7(-0.75,4.045) B8(-1.75,4.045)
  oval 1x2.1 hole 0.6x1.7: S1(-4.32,3.13) S1(4.32,3.13)
  oval 1x1.6 hole 0.6x1.2: S1(-4.32,-1.05) S1(4.32,-1.05)
VQFN-7_L2.0-W2.0-P0.55-TL_RWU
  rect 1.15x0.35 smd: 1(-0.625,0.55) 3(-0.625,-0.55)
  rect 1.45x0.2 smd: 2(-0.475,0)
  rect 0.45x0.25 smd: 4(0.975,-0.75) 5(0.975,-0.25) 6(0.975,0.25) 7(0.975,0.75)
VQFN-16-1EP_3x3mm_P0.5mm_EP1.6x1.6mm
  rrect 0.64x0.64 smd: (-0.4,0.4) (-0.4,-0.4) (0.4,0.4) (0.4,-0.4)
  rrect 0.875x0.25 smd: 1(-1.438,0.75) 2(-1.438,0.25) 3(-1.438,-0.25) 4(-1.438,-0.75) 9(1.438,-0.75) 10(1.438,-0.25) 11(1.438,0.25) 12(1.438,0.75)
  rrect 0.25x0.875 smd: 5(-0.75,-1.438) 6(-0.25,-1.438) 7(0.25,-1.438) 8(0.75,-1.438) 13(0.75,1.438) 14(0.25,1.438) 15(-0.25,1.438) 16(-0.75,1.438)
  rect 1.6x1.6 smd: 17(0,0)
VQFN-32-1EP_5x5mm_P0.5mm_EP3.5x3.5mm
  rrect 1.41x1.41 smd: (-0.875,0.875) (-0.875,-0.875) (0.875,0.875) (0.875,-0.875)
  rrect 0.8x0.25 smd: 1(-2.45,1.75) 2(-2.45,1.25) 3(-2.45,0.75) 4(-2.45,0.25) 5(-2.45,-0.25) 6(-2.45,-0.75) 7(-2.45,-1.25) 8(-2.45,-1.75) 17(2.45,-1.75) 18(2.45,-1.25) 19(2.45,-0.75) 20(2.45,-0.25) 21(2.45,0.25) 22(2.45,0.75) 23(2.45,1.25) 24(2.45,1.75)
  rrect 0.25x0.8 smd: 9(-1.75,-2.45) 10(-1.25,-2.45) 11(-0.75,-2.45) 12(-0.25,-2.45) 13(0.25,-2.45) 14(0.75,-2.45) 15(1.25,-2.45) 16(1.75,-2.45) 25(1.75,2.45) 26(1.25,2.45) 27(0.75,2.45) 28(0.25,2.45) 29(-0.25,2.45) 30(-0.75,2.45) 31(-1.25,2.45) 32(-1.75,2.45)
  rect 3.5x3.5 smd: 33(0,0)
Xilinx_CSG324
  round 0.4 smd: A1(-6.8,6.8) A2(-6,6.8) A3(-5.2,6.8) A4(-4.4,6.8) A5(-3.6,6.8) A6(-2.8,6.8) A7(-2,6.8) A8(-1.2,6.8) A9(-0.4,6.8) A10(0.4,6.8) A11(1.2,6.8) A12(2,6.8) A13(2.8,6.8) A14(3.6,6.8) A15(4.4,6.8) A16(5.2,6.8) A17(6,6.8) A18(6.8,6.8) B1(-6.8,6) B2(-6,6) B3(-5.2,6) B4(-4.4,6) B5(-3.6,6) B6(-2.8,6) B7(-2,6) B8(-1.2,6) B9(-0.4,6) B10(0.4,6) B11(1.2,6) B12(2,6) B13(2.8,6) B14(3.6,6) B15(4.4,6) B16(5.2,6) B17(6,6) B18(6.8,6) C1(-6.8,5.2) C2(-6,5.2) C3(-5.2,5.2) C4(-4.4,5.2) C5(-3.6,5.2) C6(-2.8,5.2) C7(-2,5.2) C8(-1.2,5.2) C9(-0.4,5.2) C10(0.4,5.2) C11(1.2,5.2) C12(2,5.2) C13(2.8,5.2) C14(3.6,5.2) C15(4.4,5.2) C16(5.2,5.2) C17(6,5.2) C18(6.8,5.2) D1(-6.8,4.4) D2(-6,4.4) D3(-5.2,4.4) D4(-4.4,4.4) D5(-3.6,4.4) D6(-2.8,4.4) D7(-2,4.4) D8(-1.2,4.4) D9(-0.4,4.4) D10(0.4,4.4) D11(1.2,4.4) D12(2,4.4) D13(2.8,4.4) D14(3.6,4.4) D15(4.4,4.4) D16(5.2,4.4) D17(6,4.4) D18(6.8,4.4) E1(-6.8,3.6) E2(-6,3.6) E3(-5.2,3.6) E4(-4.4,3.6) E5(-3.6,3.6) E6(-2.8,3.6) E7(-2,3.6) E8(-1.2,3.6) E9(-0.4,3.6) E10(0.4,3.6) E11(1.2,3.6) E12(2,3.6) E13(2.8,3.6) E14(3.6,3.6) E15(4.4,3.6) E16(5.2,3.6) E17(6,3.6) E18(6.8,3.6) F1(-6.8,2.8) F2(-6,2.8) F3(-5.2,2.8) F4(-4.4,2.8) F5(-3.6,2.8) F6(-2.8,2.8) F7(-2,2.8) F8(-1.2,2.8) F9(-0.4,2.8) F10(0.4,2.8) F11(1.2,2.8) F12(2,2.8) F13(2.8,2.8) F14(3.6,2.8) F15(4.4,2.8) F16(5.2,2.8) F17(6,2.8) F18(6.8,2.8) G1(-6.8,2) G2(-6,2) G3(-5.2,2) G4(-4.4,2) G5(-3.6,2) G6(-2.8,2) G7(-2,2) G8(-1.2,2) G9(-0.4,2) G10(0.4,2) G11(1.2,2) G12(2,2) G13(2.8,2) G14(3.6,2) G15(4.4,2) G16(5.2,2) G17(6,2) G18(6.8,2) H1(-6.8,1.2) H2(-6,1.2) H3(-5.2,1.2) H4(-4.4,1.2) H5(-3.6,1.2) H6(-2.8,1.2) H7(-2,1.2) H8(-1.2,1.2) H9(-0.4,1.2) H10(0.4,1.2) H11(1.2,1.2) H12(2,1.2) H13(2.8,1.2) H14(3.6,1.2) H15(4.4,1.2) H16(5.2,1.2) H17(6,1.2) H18(6.8,1.2) J1(-6.8,0.4) J2(-6,0.4) J3(-5.2,0.4) J4(-4.4,0.4) J5(-3.6,0.4) J6(-2.8,0.4) J7(-2,0.4) J8(-1.2,0.4) J9(-0.4,0.4) J10(0.4,0.4) J11(1.2,0.4) J12(2,0.4) J13(2.8,0.4) J14(3.6,0.4) J15(4.4,0.4) J16(5.2,0.4) J17(6,0.4) J18(6.8,0.4) K1(-6.8,-0.4) K2(-6,-0.4) K3(-5.2,-0.4) K4(-4.4,-0.4) K5(-3.6,-0.4) K6(-2.8,-0.4) K7(-2,-0.4) K8(-1.2,-0.4) K9(-0.4,-0.4) K10(0.4,-0.4) K11(1.2,-0.4) K12(2,-0.4) K13(2.8,-0.4) K14(3.6,-0.4) K15(4.4,-0.4) K16(5.2,-0.4) K17(6,-0.4) K18(6.8,-0.4) L1(-6.8,-1.2) L2(-6,-1.2) L3(-5.2,-1.2) L4(-4.4,-1.2) L5(-3.6,-1.2) L6(-2.8,-1.2) L7(-2,-1.2) L8(-1.2,-1.2) L9(-0.4,-1.2) L10(0.4,-1.2) L11(1.2,-1.2) L12(2,-1.2) L13(2.8,-1.2) L14(3.6,-1.2) L15(4.4,-1.2) L16(5.2,-1.2) L17(6,-1.2) L18(6.8,-1.2) M1(-6.8,-2) M2(-6,-2) M3(-5.2,-2) M4(-4.4,-2) M5(-3.6,-2) M6(-2.8,-2) M7(-2,-2) M8(-1.2,-2) M9(-0.4,-2) M10(0.4,-2) M11(1.2,-2) M12(2,-2) M13(2.8,-2) M14(3.6,-2) M15(4.4,-2) M16(5.2,-2) M17(6,-2) M18(6.8,-2) N1(-6.8,-2.8) N2(-6,-2.8) N3(-5.2,-2.8) N4(-4.4,-2.8) N5(-3.6,-2.8) N6(-2.8,-2.8) N7(-2,-2.8) N8(-1.2,-2.8) N9(-0.4,-2.8) N10(0.4,-2.8) N11(1.2,-2.8) N12(2,-2.8) N13(2.8,-2.8) N14(3.6,-2.8) N15(4.4,-2.8) N16(5.2,-2.8) N17(6,-2.8) N18(6.8,-2.8) P1(-6.8,-3.6) P2(-6,-3.6) P3(-5.2,-3.6) P4(-4.4,-3.6) P5(-3.6,-3.6) P6(-2.8,-3.6) P7(-2,-3.6) P8(-1.2,-3.6) P9(-0.4,-3.6) P10(0.4,-3.6) P11(1.2,-3.6) P12(2,-3.6) P13(2.8,-3.6) P14(3.6,-3.6) P15(4.4,-3.6) P16(5.2,-3.6) P17(6,-3.6) P18(6.8,-3.6) R1(-6.8,-4.4) R2(-6,-4.4) R3(-5.2,-4.4) R4(-4.4,-4.4) R5(-3.6,-4.4) R6(-2.8,-4.4) R7(-2,-4.4) R8(-1.2,-4.4) R9(-0.4,-4.4) R10(0.4,-4.4) R11(1.2,-4.4) R12(2,-4.4) R13(2.8,-4.4) R14(3.6,-4.4) R15(4.4,-4.4) R16(5.2,-4.4) R17(6,-4.4) R18(6.8,-4.4) T1(-6.8,-5.2) T2(-6,-5.2) T3(-5.2,-5.2) T4(-4.4,-5.2) T5(-3.6,-5.2) T6(-2.8,-5.2) T7(-2,-5.2) T8(-1.2,-5.2) T9(-0.4,-5.2) T10(0.4,-5.2) T11(1.2,-5.2) T12(2,-5.2) T13(2.8,-5.2) T14(3.6,-5.2) T15(4.4,-5.2) T16(5.2,-5.2) T17(6,-5.2) T18(6.8,-5.2) U1(-6.8,-6) U2(-6,-6) U3(-5.2,-6) U4(-4.4,-6) U5(-3.6,-6) U6(-2.8,-6) U7(-2,-6) U8(-1.2,-6) U9(-0.4,-6) U10(0.4,-6) U11(1.2,-6) U12(2,-6) U13(2.8,-6) U14(3.6,-6) U15(4.4,-6) U16(5.2,-6) U17(6,-6) U18(6.8,-6) V1(-6.8,-6.8) V2(-6,-6.8) V3(-5.2,-6.8) V4(-4.4,-6.8) V5(-3.6,-6.8) V6(-2.8,-6.8) V7(-2,-6.8) V8(-1.2,-6.8) V9(-0.4,-6.8) V10(0.4,-6.8) V11(1.2,-6.8) V12(2,-6.8) V13(2.8,-6.8) V14(3.6,-6.8) V15(4.4,-6.8) V16(5.2,-6.8) V17(6,-6.8) V18(6.8,-6.8)

## Nets
+1V0: C301.1 C303.2 C501.1 C502.1 C503.1 C504.1 C505.1 C506.1 C507.1 C508.1 C509.1 C510.1 C511.1 C512.1 C513.1 C514.1 C515.1 C516.1 C517.1 C518.1 C519.1 C520.1 C521.1 L301.2 R301.1 TP301.1 U501.F8 U501.F10 U501.G7 U501.G9 U501.G11 U501.H8 U501.J7 U501.J11 U501.K8 U501.L7 U501.L11 U501.M8 U501.M10 U501.N7 U501.N9 U501.N11
+1V8: C308.1 C310.2 C522.1 C523.1 C524.1 C525.1 C526.1 C527.1 C528.1 C1609.1 C1610.2 L303.2 R304.1 TP302.1 U501.F12 U501.H10 U501.H12 U501.K12 U501.M12 U1601.3
+3V3: C311.1 C313.2 C314.2 C401.2 C402.1 C403.2 C1201.2 C1202.2 C1203.2 C1204.2 C1205.2 C1401.1 C1402.2 C1403.2 C1501.1 C1802.2 D202.1 D1401.1 J402.4 J1201.1 J1201.7 J1201.9 J1201.40 J1201.41 J1201.42 J1401.2 JP1201.1 L304.2 R206.1 R307.1 R310.1 R401.1 R405.1 R406.1 R408.1 R410.1 R414.1 R423.1 R424.1 R425.1 R426.1 R427.1 R428.1 R429.2 R1501.1 R1502.1 R1503.1 R1504.1 R1509.1 R1510.1 R1511.1 R1512.1 R1517.1 R1518.1 R1521.1 R1522.1 R1523.1 R1527.1 R1529.1 TP303.1 U305.5 U401.2 U1401.5 U1401.8 U1401.12 U1501.24 U1802.5
+3V3_FPGA: C529.1 C601.1 C602.2 C701.1 C702.1 C703.1 C704.1 C705.1 C706.1 C801.1 C802.1 C803.1 C804.1 C805.1 C806.1 C1001.1 C1002.1 C1003.1 C1004.1 C1005.1 C1006.1 C1101.1 C1102.1 C1103.1 C1104.1 C1105.1 C1106.1 C1301.2 C1302.2 C1303.2 C1304.2 C1305.2 C1306.2 C1307.2 C1308.1 C1309.1 C1310.2 C1311.2 C1611.1 C1612.2 C1903.2 C1904.2 C1906.2 C1909.2 C1912.2 C1913.2 C2002.2 C2004.2 C2009.2 C2011.2 J701.1 JP301.1 Q1702.1 Q1703.1 R601.2 R602.2 R603.2 R701.2 R1701.2 R1702.1 R1703.1 R1704.1 R1705.1 R1706.1 R1707.1 R1708.1 R1709.1 R1710.1 R1714.2 R1716.2 R1904.1 SW1801.2 U305.1 U501.A7 U501.A17 U501.C3 U501.C13 U501.D6 U501.D16 U501.F2 U501.G5 U501.G15 U501.H18 U501.J1 U501.K4 U501.K14 U501.L17 U501.N3 U501.N13 U501.P6 U501.P8 U501.P11 U501.P12 U501.P13 U501.P16 U501.R9 U501.T2 U501.T12 U501.U5 U501.U15 U501.V8 U501.V18 U1301.1 U1301.3 U1301.9 U1301.14 U1301.27 U1301.43 U1301.49 U1302.11 U1302.33 U1601.2 U1901.1 U1902.31 U1902.42 U1903.1 U1904.31 U1904.42 U2001.1 U2002.1 U2003.1 U2004.1 X601.1 X601.4
+3V3_PG: R401.2 SW401.2 U304.6 U401.3
+3V3A_DAC: C1601.1 C1602.2 C1603.1 C1604.2 JP301.2 TP304.1 U1601.17 U1601.28
+5V: C305.2 C306.1 C307.1 C1701.2 C1801.2 R303.1 R1713.1 TP305.1 U302.3 U1701.5 U1801.5
/Power Regulators/+1V0_PG: R309.2 U301.6 U303.4
/Power Regulators/+1V8_PG: R310.2 U303.6 U305.4 U306.3
